# KiCad board Djinn.kicad_pcb (continued)
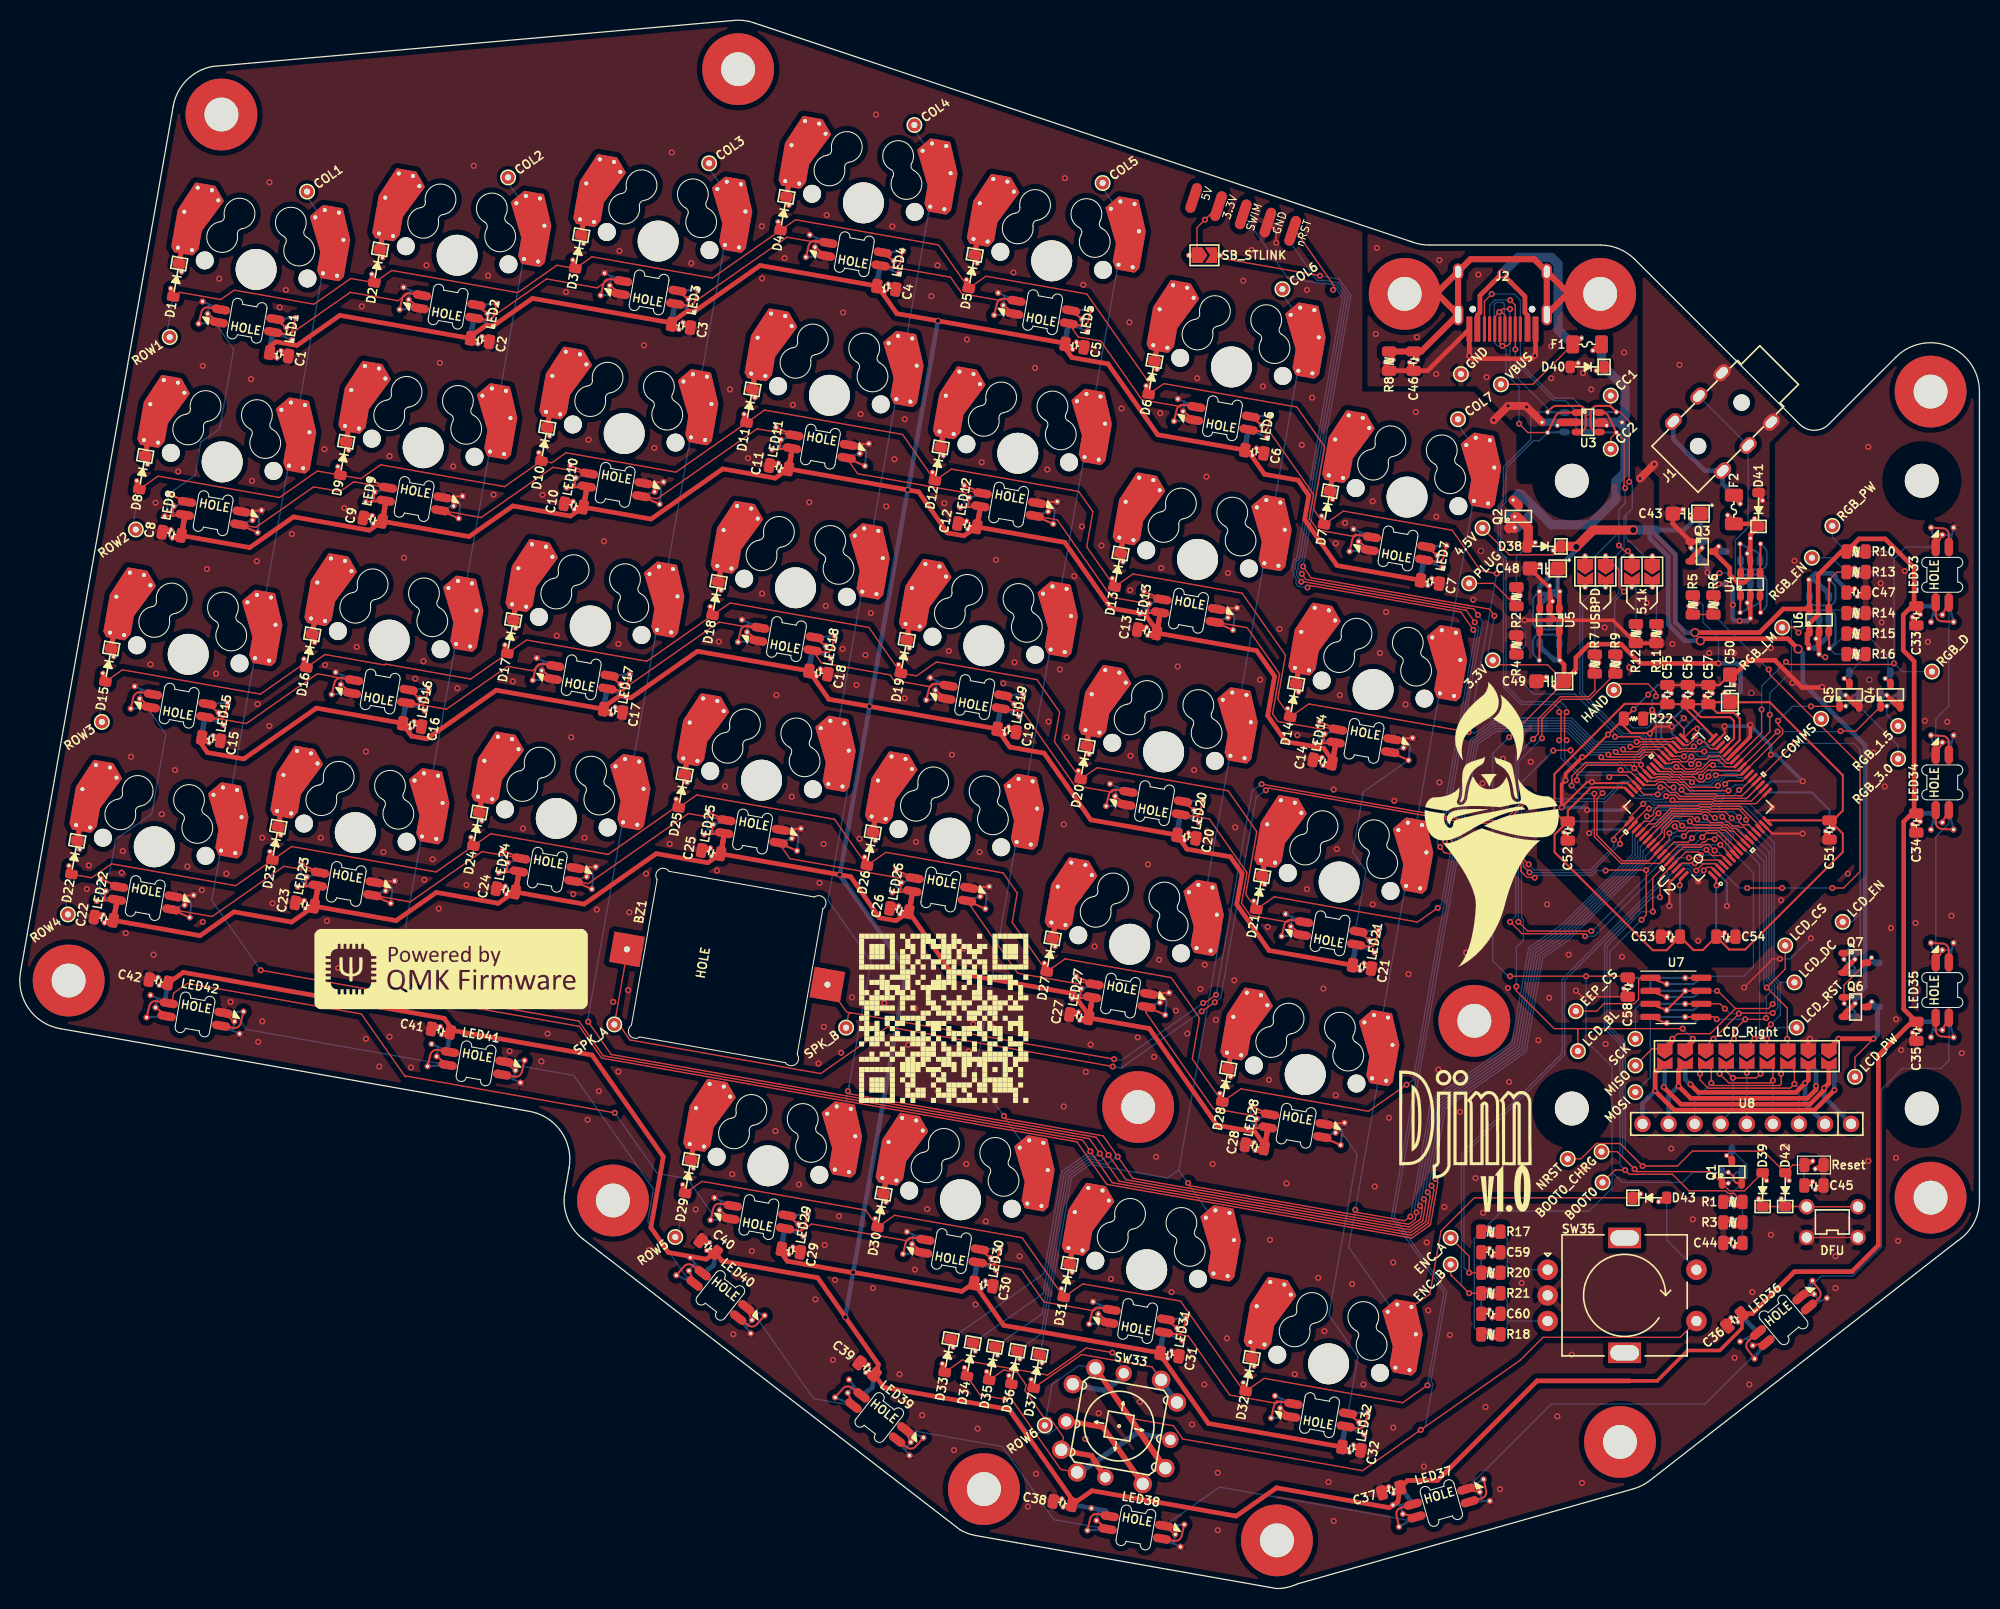
[diagram p0: board, top side]
## Routing (per net, layer and track width the routed paths; a pad name or vN(x,y) marks a point on that pad's centre or on a via; arc(x,y) is an arc through that point) (continued)
COL5: length 226.1
  Top w0.127: v1(165.82,75.23) 166.35,74.7 166.44,74.7 166.79,74.35 167.39,74.35 167.55,74.19 167.98,74.19 U2.12 ; v1(95.84,46.06) 95.82,45.98 95.94,45.8 105.49,44.12 v1(106.91,42.09) 108.39,39.98 135.32,35.23 136.41,36 136.59,37.01 v1(136.38,37.31)
  Bottom w0.127: v1(165.82,75.23) 165.74,75.23 165.25,75.71 162.01,75.71 161.64,75.35 160.58,75.35 159.96,74.73 159.56,74.73 U1.12 157.58,72.76 157.58,71.36 150.47,64.26 147.41,62.12 145.79,52.89 137.91,47.37 136.18,37.58 v1(136.38,37.31) ; v1(95.84,46.06) 95.85,46.04 95.85,46 ; 95.85,46 93.01,50.05 SW26.2 SW19.2 101.47,98.01 SW12.2 SW5.2 105.37,136.6 TP16.1 ; 95.85,46 SW30.2 ; v1(106.91,42.09) 105.82,41.32 104.18,41.61 102.18,40.21 99.46,24.81 D36.1
COL6: length 207.6
  Top w0.127: v1(167.46,75.18) 167.46,74.76 167.78,74.44 168.43,74.44 U2.13 ; v1(113.77,39.53) 113.76,39.46 113.9,39.27 135.26,35.5 135.9,35.95 v1(136.03,36.67)
  Bottom w0.127: v1(167.46,75.18) 166.93,75.72 165.61,75.72 165.36,75.97 161.9,75.97 161.54,75.6 160.47,75.6 159.86,74.99 159.1,74.99 U1.13 157.32,73.21 157.32,71.47 150.37,64.51 147.19,62.28 145.56,53.04 137.68,47.52 135.83,37.04 136.04,36.74 v1(136.03,36.67) ; 113.82,39.41 113.82,39.46 v1(113.77,39.53) ; 113.82,39.41 SW31.2 ; 113.82,39.41 112.86,40.78 ; 112.86,40.78 111.77,40.01 104.24,41.34 102.41,40.06 99.37,22.85 D37.1 ; 112.86,40.78 112.87,40.78 117,64.22 SW27.2 SW20.2 118.99,87.67 SW13.2 SW6.2 122.89,126.26 TP18.1
COL7: length 187.6
  Top w0.127: U2.14 169.5,74.29 167.54,76.26 164.89,76.26 164.71,76.44 163.61,76.44 163.46,76.29 159.6,76.29 159.12,75.8 159.12,75.47 158.92,75.27 v1(158.5,75.27) ; D43.1 141.66,38.09 138.41,34.84 137.33,28.7 SW32.2 ; v1(130.07,36.92) 130.06,36.89 130.23,36.66 134.85,35.85 v1(135.43,36.25)
  Bottom w0.127: v1(135.43,36.25) 137.45,47.67 145.32,53.19 146.96,62.45 150.26,64.77 157.07,71.57 157.07,73.66 U1.14 157.5,74.08 158.5,75.07 v1(158.5,75.27) ; SW32.2 129.42,33.27 130.08,36.99 ; 130.08,36.99 v1(130.07,36.92) ; 130.08,36.99 132.94,53.2 SW28.2 SW21.2 SW14.2 SW7.2 140,113.57 TP20.1
CURR_1500mA_OK: length 27.7
  Top w0.127: v1(163.75,79.13) 164.39,79.78 165.15,79.78 165.16,79.78 165.42,79.78 165.46,79.74 167.39,79.74 U2.24 167.76,80.09 171.21,83.54 v1(171.21,83.54) ; Q4.1 178.85,83.59 v1(177.36,83.59)
  Bottom w0.127: U1.24 159.73,79.61 161.1,79.61 161.11,79.6 163.28,79.6 v1(163.75,79.13) ; TP22.1 181.85,85.19 Q4.1 ; v1(177.36,83.59) 177.31,83.54 v1(171.21,83.54)
CURR_3000mA_OK: length 31.1
  Top w0.127: v1(165.19,79.29) 167.64,79.29 U2.23 168.11,79.73 171.7,83.33 171.7,83.74 171.26,84.19 v1(171.26,84.59) ; Q5.1 v1(174.47,85.99)
  Bottom w0.127: v1(165.19,79.29) 165.19,79.16 164.66,78.63 163.53,78.63 162.82,79.34 161.01,79.34 161,79.35 159.28,79.35 U1.23 ; v1(174.47,85.99) 172.67,85.99 v1(171.26,84.59) ; TP24.1 182.96,82.19 179.16,85.98 Q5.1
CURR_LIM: length 11.5
  Top w0.127: v1(173.26,93.19) 172.76,93.69 TP26.1
  Bottom w0.127: R16.1 176.81,91.09 U6.3 ; v1(173.26,93.19) 174.31,94.24 U6.3 ; R15.1 176.47,91.64 U6.3 ; 174.56,95.19 174.76,95.39 177.62,95.39 R14.1 ; U6.3 176.4,91.49
D+: length 81.7
  Top w0.127: v1(159.54,77.41) 158.18,77.41 157.48,78.11 U2.46 156.52,79.29 155,79.29 v1(154.81,79.09) ; v1(144.1,124.42) 144.35,124.42 144.65,124.12 J2.A6 ; v1(144.1,124.42) 143.65,123.98 J2.B6 ; v1(144.1,124.42) 144.4,124.73 v1(145.15,124.73) ; v1(149.93,85.44) 150.11,85.26 150.11,82.86 v1(149.93,82.69)
  Bottom w0.127: v1(159.54,77.41) 159.83,77.41 160.15,77.74 160.6,77.74 160.92,77.42 161.14,77.42 161.58,76.98 165.78,76.98 165.99,76.78 167.96,76.78 U1.46 ; J2.A6 144.15,124.37 v1(144.1,124.42) ; 149.93,85.44 v1(149.93,85.44) 149.93,85.81 149.56,86.19 146.2,86.19 144.5,87.88 144.5,100.34 143.98,100.86 143.98,105.51 144.5,106.03 144.5,109.33 147.16,111.99 147.16,114.19 147.66,114.69 U3.3 148.81,115.04 145.15,118.69 J2.B6 145.15,124.72 v1(145.15,124.73) ; v1(154.81,79.09) 154.62,79.29 151.75,79.29 150.11,80.93 150.11,82.51 v1(149.93,82.69)
D-: length 87.9
  Top w0.127: v1(161.07,78.09) 160.65,78.09 160.1,78.63 159.63,78.63 159.32,78.32 158.19,78.32 U2.45 156.92,79.59 156.1,79.59 v1(155.91,79.78) ; v1(150.66,82.69) 150.46,82.89 150.46,85.24 v1(150.66,85.44) ; J2.A7 144.15,121.39 v1(144.41,121.13) 144.86,121.13 145.15,121.42 J2.B7 ; U3.1 146.89,112.69 v1(146.03,113.55)
  Bottom w0.127: U1.45 167.51,77.03 166.09,77.03 165.89,77.24 161.75,77.24 161.07,77.92 v1(161.07,78.09) ; v1(144.41,121.13) 143.94,121.13 143.65,121.42 J2.B7 143.61,122.82 143.61,125.2 143.77,125.37 144.46,125.37 144.59,125.23 144.59,122.84 J2.A7 144.65,121.37 v1(144.41,121.13) ; v1(144.41,121.13) 144.76,120.78 144.76,118.39 146.03,117.12 v1(146.03,113.55) ; v1(150.66,82.69) 150.46,82.49 150.46,80.94 151.81,79.59 155.72,79.59 v1(155.91,79.78) ; 144.64,100.56 144.76,100.44 ; 144.64,100.56 144.72,100.49 ; 144.64,100.56 144.44,100.76 ; 144.76,100.44 144.76,87.99 146.3,86.44 150.08,86.44 150.66,85.86 v1(150.66,85.44) ; 144.76,100.44 144.44,100.76 ; 144.76,100.44 144.76,100.29 ; 144.44,100.76 144.24,100.96 144.24,105.41 144.76,105.93 144.76,108.19 ; U3.1 148,111.88 147.41,111.88 144.76,109.23 144.76,108.19 ; U3.1 149.71,112.74 ; 144.76,108.19 144.76,108.64
EEP_CS: length 36.5
  Top w0.127: U2.58 161.11,72.75 162.48,72.75 v1(162.87,73.14) ; U7.1 157.86,59.53 157.67,59.34 157.67,57.43 157.25,57.01 154.31,57.01 153.58,56.29 TP40.1
  Bottom w0.127: v1(162.87,73.14) 163.56,73.83 164.31,73.83 164.46,73.69 166.01,73.69 166.42,73.28 166.42,72.21 U1.58 168.86,69.77 168.86,60.59 167.96,59.68 163.96,59.68 U7.1
ENC_A: length 60.6
  Top w0.127: U2.3 165.16,70.64 163.95,70.64 v1(163.3,69.99) ; R20.1 141.17,30.78 v1(141.16,30.79) 141.16,32.38 TP44.1
  Bottom w0.127: v1(163.3,69.99) 163.13,69.99 162.58,70.54 161.73,70.54 U1.3 150.47,59.29 150.47,52.05 140.66,42.24 140.66,31.29 v1(141.16,30.79) ; R20.1 C59.1
ENC_B: length 63.1
  Top w0.127: v1(162.57,71.24) 163.29,71.24 163.52,71.01 165.5,71.01 U2.4 ; 139.46,30.49 v1(141.16,28.79) 141.17,28.78 R21.1 ; 139.46,30.49 139.36,30.59 ; 139.46,30.49 139.36,30.59 ; TP45.1 139.36,30.59
  Bottom w0.127: v1(162.57,71.24) 161.51,71.24 161.02,70.75 U1.4 160.47,69.99 160.47,69.65 150.22,59.39 150.22,52.16 140.4,42.34 140.4,29.54 v1(141.16,28.79) ; C60.1 R21.1
LCD_BL_PWM: length 74
  Top w0.127: U2.21 167.61,77.84 v1(167.47,77.84) ; v1(161.96,54.58) 151.67,54.58 ; 151.67,54.58 149.44,54.58 145.76,58.26 v1(145.76,58.69) ; 151.67,54.58 151.76,54.49 TP38.1 ; v1(149.36,81.69) 149.38,81.71 v1(151.04,81.71)
  Top w0.203: 162.2,52.62 162.2,52.83 v1(162.96,53.59)
  Top w0.45: J5.3 162.96,53.36 v1(162.96,53.59)
  Bottom w0.127: v1(167.47,77.84) 166.92,77.28 166.2,77.28 165.99,77.49 162.92,77.49 161.57,78.84 160.8,78.84 160.79,78.84 159.48,78.84 159.33,78.69 158.53,78.69 U1.21 157.86,79.36 157.08,79.36 155.86,80.59 155.66,80.39 152.06,80.39 151.04,81.41 v1(151.04,81.71) ; v1(149.36,81.69) 146.27,78.59 146.27,65.4 146.45,65.22 146.45,63.19 145.76,62.5 v1(145.76,58.69) ; v1(162.96,53.59) 162.95,53.59 v1(161.96,54.58)
  Bottom w0.203: v1(162.96,53.59) 162.2,52.83 162.2,52.62
  Bottom w0.45: J5.3 162.96,53.36 v1(162.96,53.59)
LCD_CS: length 39.3
  Top w0.127: U2.55 159.93,73.69 159.93,74.07 161.13,75.27 162.86,75.27 163.17,74.97 v1(163.39,74.97) ; 172.2,52.62 172.2,53.54 v1(172.16,53.59) 172.16,56.59 171.36,57.39 ; 171.36,57.39 171.46,57.29 ; 171.36,57.39 v1(170.16,58.59) 171.96,60.39 TP33.1
  Bottom w0.127: v1(163.39,74.97) 163.66,74.69 164.53,74.69 164.77,74.45 166.33,74.45 168.09,72.69 U1.55 169.87,70.89 169.87,59.53 169.87,58.88 v1(170.16,58.59) ; 172.2,52.62 172.2,53.54 v1(172.16,53.59)
LCD_DC: length 40.8
  Top w0.127: U2.51 158.19,74.78 158.82,74.78 v1(159.61,75.57) ; v1(170.56,54.99) 169.16,53.59 v1(168.96,53.59) 168.2,52.83 168.2,52.62
  Bottom w0.127: v1(159.61,75.57) 159.9,75.86 161.43,75.86 161.8,76.22 165.46,76.22 165.71,75.97 167.82,75.97 169.5,74.29 U1.51 170.88,72.7 170.88,59.64 171.1,59.42 ; TP34.1 171.44,59.09 171.1,59.42 ; 168.2,52.62 168.2,52.83 v1(168.96,53.59) ; 171.1,59.42 171.48,59.04 171.48,55.9 v1(170.56,54.99)
LCD_EN: length 47.8
  Top w0.127: v1(161.85,77.86) 162.25,77.45 165.13,77.45 165.3,77.28 167.76,77.28 U2.20 172.86,82.38 v1(172.86,82.39)
  Bottom w0.127: v1(161.85,77.86) 161.85,78.08 161.35,78.58 160.69,78.58 160.69,78.58 159.59,78.58 159.33,78.33 158.18,78.33 U1.20 ; Q7.1 177.68,61.96 179.26,63.54 179.26,65.79 ; v1(172.86,82.39) 178.66,82.39 179.26,81.79 179.26,65.79 ; 179.26,65.79 178.46,64.99 TP31.1
LCD_L1_R9: length 28.6
  Top w0.45: v1(176.76,48.59) 174.8,46.63 161.16,46.63 v1(159.28,48.51) 159.28,50.23 J5.2
  Bottom w0.45: J4.2 176.76,50.63 v1(176.76,48.59) ; U8.9 158.05,47.28 v1(159.28,48.51)
LCD_L2_R8: length 23.7
  Top w0.45: v1(174.96,48.99) 174.96,48.62 174.12,47.79 162.76,47.79 v1(161.56,48.99) 161.56,50.51 J5.4
  Bottom w0.45: U8.8 160.59,48.02 v1(161.56,48.99) ; J4.4 174.96,50.43 v1(174.96,48.99)
LCD_L3_R7: length 15.8
  Top w0.127: v1(171.56,50.19) 171.56,49.16 171.43,49.03 164.99,49.03 v1(164.76,49.27) 164.76,50.61 164.2,51.17
  Bottom w0.127: 163.13,45.49 163.13,47.64 v1(164.76,49.27) ; v1(171.56,50.19) 171.56,50.53 172.2,51.17
LCD_L4_R6: length 10.8
  Top w0.127: 166.2,50.43 166.2,51.16 J5.8 ; 166.2,50.43 166.2,50.67 ; 166.2,50.43 v1(166.86,49.78) 169.15,49.78 v1(169.56,50.19)
  Bottom w0.127: 170.2,51.17 169.56,50.53 v1(169.56,50.19) ; 165.67,45.49 166.86,46.67 v1(166.86,49.78)
LCD_L5_R5: length 6.6
  Top w0.127: J5.10 v1(168.21,50.27)
  Bottom w0.127: 168.21,45.49 J5.10
LCD_L6_R4: length 13.2
  Top w0.127: v1(165.56,50.19) 166.46,49.29 170.52,49.29 v1(170.76,49.52) 170.76,50.63 J5.12
  Bottom w0.127: 170.74,49.17 170.76,49.19 v1(170.76,49.52) 170.75,49.52 170.75,45.49 ; v1(165.56,50.19) 165.56,50.53 166.2,51.17
LCD_L7_R3: length 18.3
  Top w0.127: J5.14 172.86,50.53 v1(172.86,49.19) 172.45,48.78 164.44,48.78 163.66,49.56 v1(163.66,50.19)
  Bottom w0.127: 173.29,45.49 173.29,48.75 v1(172.86,49.19) 173.28,48.76 ; 164.2,51.17 163.66,50.63 v1(163.66,50.19)
LCD_L8_R2: length 20.9
  Top w0.45: v1(162.72,49.15) 163.5,48.36 173,48.36 v1(173.89,49.25) 174.21,49.58 J5.16
  Bottom w0.45: J4.16 162.21,49.65 v1(162.72,49.15) ; v1(173.89,49.25) 173.89,47.23 U8.2
LCD_L9_R1: length 26.6
  Top w0.45: J5.18 176.21,49.24 v1(175.76,48.79) 175.76,48.6 174.36,47.21 161.79,47.21 v1(160.12,48.87)
  Bottom w0.45: v1(175.76,48.79) 175.76,47.9 U8.1 ; J4.18 160.21,48.96 v1(160.12,48.87)
LCD_PWR: length 18
  Top w0.127: v1(177.16,53.59) 176.2,52.63 176.2,52.62 ; v1(180.56,53.59) 178.76,51.79 TP29.1
  Top w0.45: Q6.3 179.89,56.68 Q6.3 ; v1(180.56,53.59) v1(177.16,53.59) 177.16,53.56 J5.17
  Bottom w0.127: 176.2,52.62 176.2,52.63 v1(177.16,53.59)
  Bottom w0.45: v1(177.16,53.59) 177.16,53.56 J5.17 ; v1(180.56,53.59) 180.95,53.98 Q6.3 180.9,56.68 Q6.3
LCD_RST: length 37
  Top w0.127: v1(161.92,74.36) 161.48,74.8 161.02,74.8 160.18,73.97 160.18,73.24 U2.56 ; 170.2,52.62 170.16,52.66 v1(170.16,53.59)
  Bottom w0.127: v1(170.16,53.59) 169.77,53.59 169.61,53.74 ; v1(170.16,53.59) 171.26,54.69 TP36.1 ; v1(170.16,53.59) 169.46,54.29 169.46,70.59 166.93,73.12 166.93,73.49 166.23,74.19 164.67,74.19 164.42,74.44 163.43,74.44 163.23,74.24 162.04,74.24 v1(161.92,74.36) ; v1(170.16,53.59) 170.2,53.54 170.2,52.62
MISO: length 54
  Top w0.127: U2.53 159.1,74.27 159.37,74.27 160.87,75.78 163.67,75.78 163.82,75.93 164.5,75.93 164.71,75.72 166.11,75.72 v1(166.74,75.08) ; 167.11,56.54 164.66,54.09 161.46,54.09 v1(160.96,53.59) ; 167.11,56.54 170.32,56.54 170.73,56.95 v1(170.73,56.97) ; 167.11,56.54 165.39,58.26 v1(165.32,58.26) ; J5.1 158.99,52.62 TP4.1
  Top w0.203: 160.2,52.62 160.2,52.83 v1(160.96,53.59)
  Top w0.45: J5.1 160.96,53.36 v1(160.96,53.59)
  Bottom w0.127: v1(166.74,75.08) 167.16,74.67 167.5,74.67 U1.53 170.37,71.79 170.37,59.54 170.37,59.43 170.91,58.89 170.91,57.15 v1(170.73,56.97) ; 165.3,58.27 v1(165.32,58.26) 163.79,58.26
  Bottom w0.203: 160.2,52.62 160.2,52.83 v1(160.96,53.59)
  Bottom w0.45: v1(160.96,53.59) 160.96,53.36 J5.1
MOSI: length 50
  Top w0.127: U2.54 158.54,73.09 160.98,75.52 163.77,75.52 163.92,75.67 164.4,75.67 164.93,75.14 v1(165.1,75.14) ; 166.2,52.62 166.2,52.83 v1(166.96,53.59) 166.96,54.39 v1(168.06,55.49) 169.98,55.49 v1(170.1,55.6) ; v1(165.28,55.5) 165.05,55.72 U7.5
  Bottom w0.127: v1(165.1,75.14) 165.5,74.74 166.19,74.74 166.23,74.7 166.44,74.7 166.87,74.27 167.19,74.27 U1.54 170.12,71.34 170.12,59.32 170.66,58.79 170.66,58.31 170.13,57.78 170.13,55.63 v1(170.1,55.6) ; v1(168.06,55.49) 165.29,55.49 v1(165.28,55.5) ; TP6.1 158.81,49.84 U7.5 ; v1(166.96,53.59) 166.2,52.83 166.2,52.62
NRST: length 171
  Top w0.127: U2.7 167.03,71.81 165.21,73.63 164.26,73.63 v1(163.87,73.24) ; 144.05,71.18 143.7,71.18 ; 144.05,71.18 145.65,71.18 146.2,70.62 146.2,69.92 146.8,69.32 147.52,69.32 v1(147.55,69.29) ; 144.05,71.18 141.85,71.18 138.73,71.73 v1(138.34,72.29) ; v1(141.57,93.45) 140.35,95.18 125.68,97.77 v1(125.41,97.58) ; v1(127.9,126.61) 127.98,127.02 124.29,132.29 J3.1 ; TP8.1 152.05,41.89 153.54,43.38 155.87,43.38 v1(158.06,41.19) 161.46,41.19 162.91,42.64 169.85,42.64 D42.2 172.71,41.29 JP1.1 ; v1(154.46,69.99) 154.51,70.04 v1(158.41,70.04) 158.41,65.63 v1(157.96,65.19)
  Bottom w0.127: v1(163.87,73.24) 163.18,72.55 160.91,72.55 U1.7 159.96,71.59 v1(158.41,70.04) ; v1(154.46,69.99) 153.62,69.99 153.16,69.53 147.76,69.53 147.76,69.5 v1(147.55,69.29) ; v1(157.96,65.19) 154.86,62.09 154.86,54.79 156.37,53.28 156.37,42.88 v1(158.06,41.19) ; v1(127.9,126.61) 128.15,126.78 128.16,126.8 128.83,125.84 124.35,100.43 124.07,100.24 123.91,99.31 124.12,99.01 124.07,98.74 124.33,98.36 124.27,98 124.48,97.7 125.36,97.55 v1(125.41,97.58) ; C45.1 JP1.1 ; v1(141.57,93.45) 141.76,93.17 138.39,74.09 138.29,74.02 138.06,72.69 v1(138.34,72.29)
PIEZO_A: length 144.8
  Top w0.127: U2.18 168.66,76.77 165.1,76.77 164.92,76.94 161.62,76.94 161.22,77.35 160.46,77.35 v1(160.36,77.24) ; v1(116.37,57.15) v1(115.1,56.26) ; v1(146.76,76.7) 144.65,74.59 141.12,74.59 121.65,78.02 v1(121.35,77.81) ; BZ1.1 59.15,62.23 57.96,55.5 ; TP35.1 57.86,55.4 57.96,55.5 ; 57.96,55.5 59.38,53.47 77.96,50.19 84.48,54.75 86.66,54.37 v1(106.43,50.88)
  Bottom w0.127: v1(160.36,77.24) 160.04,76.92 159.3,76.92 158.95,77.28 157.82,77.28 U1.18 156.65,78.44 156.15,78.44 154.41,76.7 v1(146.76,76.7) ; v1(115.1,56.26) 107.77,51.13 107.22,50.74 v1(106.43,50.88) ; v1(121.35,77.81) 120.41,77.15 116.95,57.56 v1(116.37,57.15)
PIEZO_B: length 117
  Top w0.127: v1(159.79,78.09) 160.22,78.09 160.71,77.6 161.33,77.6 161.73,77.2 165.03,77.2 165.19,77.03 168.22,77.03 U2.19 ; 80.9,56.12 80.49,56.19 BZ1.2 ; 80.9,56.12 80.67,55.97 TP37.1 ; 80.9,56.12 v1(106.56,51.6) ; v1(146.76,77.43) 146.27,76.94 146.27,76.57 144.54,74.85 141.14,74.85 140.73,74.92 v1(120.93,78.41) ; v1(115.24,57.07) 115.34,57.06 v1(116.5,57.87)
  Bottom w0.127: v1(106.56,51.6) 107.25,51.48 v1(115.24,57.07) ; v1(146.76,77.43) 147.2,76.99 154.33,76.99 156.04,78.7 157.11,78.7 157.85,77.95 159.65,77.95 v1(159.79,78.09) ; v1(120.93,78.41) 120.01,77.76 v1(116.5,57.87)
PLUG_DETECT: length 36.7
  Top w0.127: v1(163.18,83.12) 163.18,82.9 162.51,82.23 162.06,82.23 U2.34 161.39,82.9 160.94,82.9 160.85,82.8 157.94,82.8 157.71,83.03 v1(155.39,83.03) ; R2.2 143.52,97.99 TP43.1
  Bottom w0.127: v1(163.18,83.12) 163.74,83.12 164.11,82.75 164.11,82.6 164.48,82.23 164.93,82.23 U1.34 ; v1(155.39,83.03) 155.39,83.28 151.48,87.19 147.46,87.19 145.86,88.79 145.86,90.94 R4.2 146.65,91.94 146.65,93.35 145.76,94.24 R2.2
Pre-Shield: length 50.5
  Top w0.6: J2.S1 136.48,120.59 C46.1 R8.1 ; J2.S1 138.06,126.2 OUTLINE1.1 137.92,126.2 J2.S1 ; J2.S1 J2.S1 ; J2.S1 147.5,129.59 141.3,129.59 J2.S1 ; J2.S1 150.88,126.2 OUTLINE1.1 150.74,126.2 J2.S1 J2.S1
ROT_A: length 8.6
  Bottom w0.127: 144.88,32.26 144.88,34.1 R17.2 ; 144.88,32.26 144.88,31.45 ; 144.88,32.26 144.89,32.26 ; 144.88,31.45 R20.2 ; 144.88,31.45 145.26,31.07 SW35.A
ROT_B: length 8.5
  Bottom w0.127: R21.2 144.88,28.1 144.88,27.26 ; SW35.B 144.89,26.07 144.88,26.06 ; R18.2 144.88,25.45 144.88,26.06 ; 144.89,27.26 144.88,27.26 ; 144.88,27.26 144.88,26.06
ROW1: length 202.3
  Top w0.127: v1(157.47,82.54) 157.48,82.54 161.04,82.54 U2.35 161.71,81.87 162.85,81.87 v1(163.06,82.08) ; v1(143.85,98.94) 142.27,99.22 139.51,103.16 128.9,105.03 D7.2 126,105.19 127.08,111.3 124.37,115.17 111.42,117.46 D6.2 110.09,117.36 103.91,126.19 94.08,127.93 D5.2 89.45,130.98 75.52,133.43 D4.2 67.41,127.75 55.69,129.82 D3.2 52.27,129 48.45,126.32 36.17,128.49 D2.2 32.18,127.7 28.6,125.2 20.82,126.57 19.51,125.65 15.51,126.36 D1.2
  Bottom w0.127: 148.77,84.84 146.27,84.84 146.8,84.84 ; v1(157.47,82.54) 153.47,82.54 151.17,84.84 146.8,84.84 ; U1.35 165.27,81.86 164.63,81.86 164.52,81.97 164.37,81.97 164.26,82.08 163.83,82.08 163.53,81.78 163.36,81.78 v1(163.06,82.08) ; 146.8,84.84 143.05,84.84 142.36,85.53 141.66,86.53 v1(143.85,98.94) ; TP23.1 14.26,122.39 D1.2
ROW2: length 189.3
  Top w0.127: v1(156.87,82.05) 157.68,82.05 157.92,82.29 160.58,82.29 U2.36 161.35,81.52 161.8,81.52 161.9,81.62 162.78,81.62 162.81,81.59 164.06,81.59 v1(164.06,81.59) ; v1(141.12,83.48) 125.53,86.23 D14.2 122.51,86.69 123.27,90.98 119.04,97.02 108.4,98.9 D13.2 103.89,101.54 104.5,104.97 103.12,106.94 90.71,109.12 D12.2 85.94,112.5 72.5,114.87 D11.2 63.87,108.83 53.16,110.71 51.77,109.74 D10.2 47.17,107.41 35.09,109.54 33.15,108.19 D9.2 28.92,108.93 25.23,106.35 13.41,108.44 D8.2
  Bottom w0.127: v1(156.87,82.05) 156.87,82.25 156.83,82.29 153.37,82.29 151.07,84.59 146.27,84.59 146.56,84.59 ; v1(164.06,81.59) 164.14,81.52 165.63,81.52 U1.36 ; TP25.1 10.95,103.63 D8.2 ; 148.77,84.59 146.56,84.59 ; 146.56,84.59 143.47,84.59 143.46,84.58 141.73,83.37 v1(141.12,83.48)
ROW3: length 208.7
  Top w0.127: v1(156.16,81.8) 156.4,81.56 157.55,81.56 158.03,82.03 160.13,82.03 U2.37 160.67,81.29 160.83,81.12 v1(162.09,81.12) ; v1(138.1,66.35) 136.13,64.97 122.17,67.43 D21.2 119.39,67.67 120.46,73.78 117.67,77.77 104.92,80.02 D20.2 100.75,82.55 101.25,85.43 99.04,88.6 89.25,90.32 87.31,88.96 D19.2 82.67,93.69 69.14,96.07 D18.2 61.03,90.39 49.3,92.46 D17.2 43.86,88.65 35.57,90.11 35.45,90.03 29.67,91.05 D16.2 27.23,89.89 23.37,87.18 9.92,89.56 D15.2
  Bottom w0.127: 148.77,84.33 146.27,84.33 146.61,84.33 ; v1(162.09,81.12) 162.56,81.59 163.06,81.59 163.54,81.11 163.87,81.11 163.88,81.1 164.27,81.1 164.43,81.26 165.44,81.26 165.54,81.16 165.99,81.16 U1.37 ; 146.61,84.33 150.96,84.33 153.26,82.03 155.67,82.03 155.91,81.8 v1(156.16,81.8) ; 146.61,84.33 143.55,84.33 141.29,82.75 138.45,66.68 138.12,66.44 v1(138.1,66.35) ; D15.2 7.64,84.87 TP27.1
ROW4: length 225.8
  Top w0.127: v1(162.82,81.1) 162.32,80.6 161.89,80.6 161.65,80.84 161.12,80.84 161.09,80.81 160.65,80.81 U2.38 159.68,81.78 158.13,81.78 157.66,81.31 155.67,81.31 v1(155.44,81.54) ; v1(135.06,49.11) 131.35,46.52 118.92,48.71 D28.2 114.18,51.62 114.88,55.61 112.13,59.55 101.78,61.38 D27.2 96.63,64.95 97.13,67.78 95.75,69.75 84.33,71.77 D26.2 79.32,74.98 65.89,77.35 D25.2 63.85,76.18 57.26,71.56 45.82,73.58 D24.2 40.49,69.85 26.42,72.33 D23.2 20.97,68.51 8.87,70.64 6.94,69.28 D22.2
  Bottom w0.127: 148.77,84.08 146.27,84.08 146.46,84.08 ; v1(155.44,81.54) 155.24,81.74 155.24,81.78 155.24,81.78 153.16,81.78 150.86,84.08 146.46,84.08 ; v1(162.82,81.1) 163.06,80.86 163.76,80.86 163.77,80.85 164.37,80.85 164.54,81.01 165.34,81.01 165.54,80.81 166.34,80.81 U1.38 ; 143.75,84.08 143.66,84.08 ; 143.75,84.08 146.46,84.08 ; 143.75,84.08 143.63,84.08 141.52,82.6 135.69,49.55 v1(135.06,49.11) ; 146.21,84.08 146.4,84.08 ; TP28.1 4.34,66.11 D22.2